# Altium PCB STM32H743XIH6_SOM_Bd.PcbDoc (part 3 of 3)
Units mm, origin at the board's own origin, x right, y up, seen from the top; angles counter-clockwise.
Board outline 45 x 69.6 mm, 8 copper layers (L1 (Sig), L2 (GND), L3 (PWR), L4 (Sig), L5 (GND), L6 (Sig), L7 (GND), L8 (Sig)), stack 1.178 mm thick; 147 components, 165 nets, 926 pads, 711 vias.
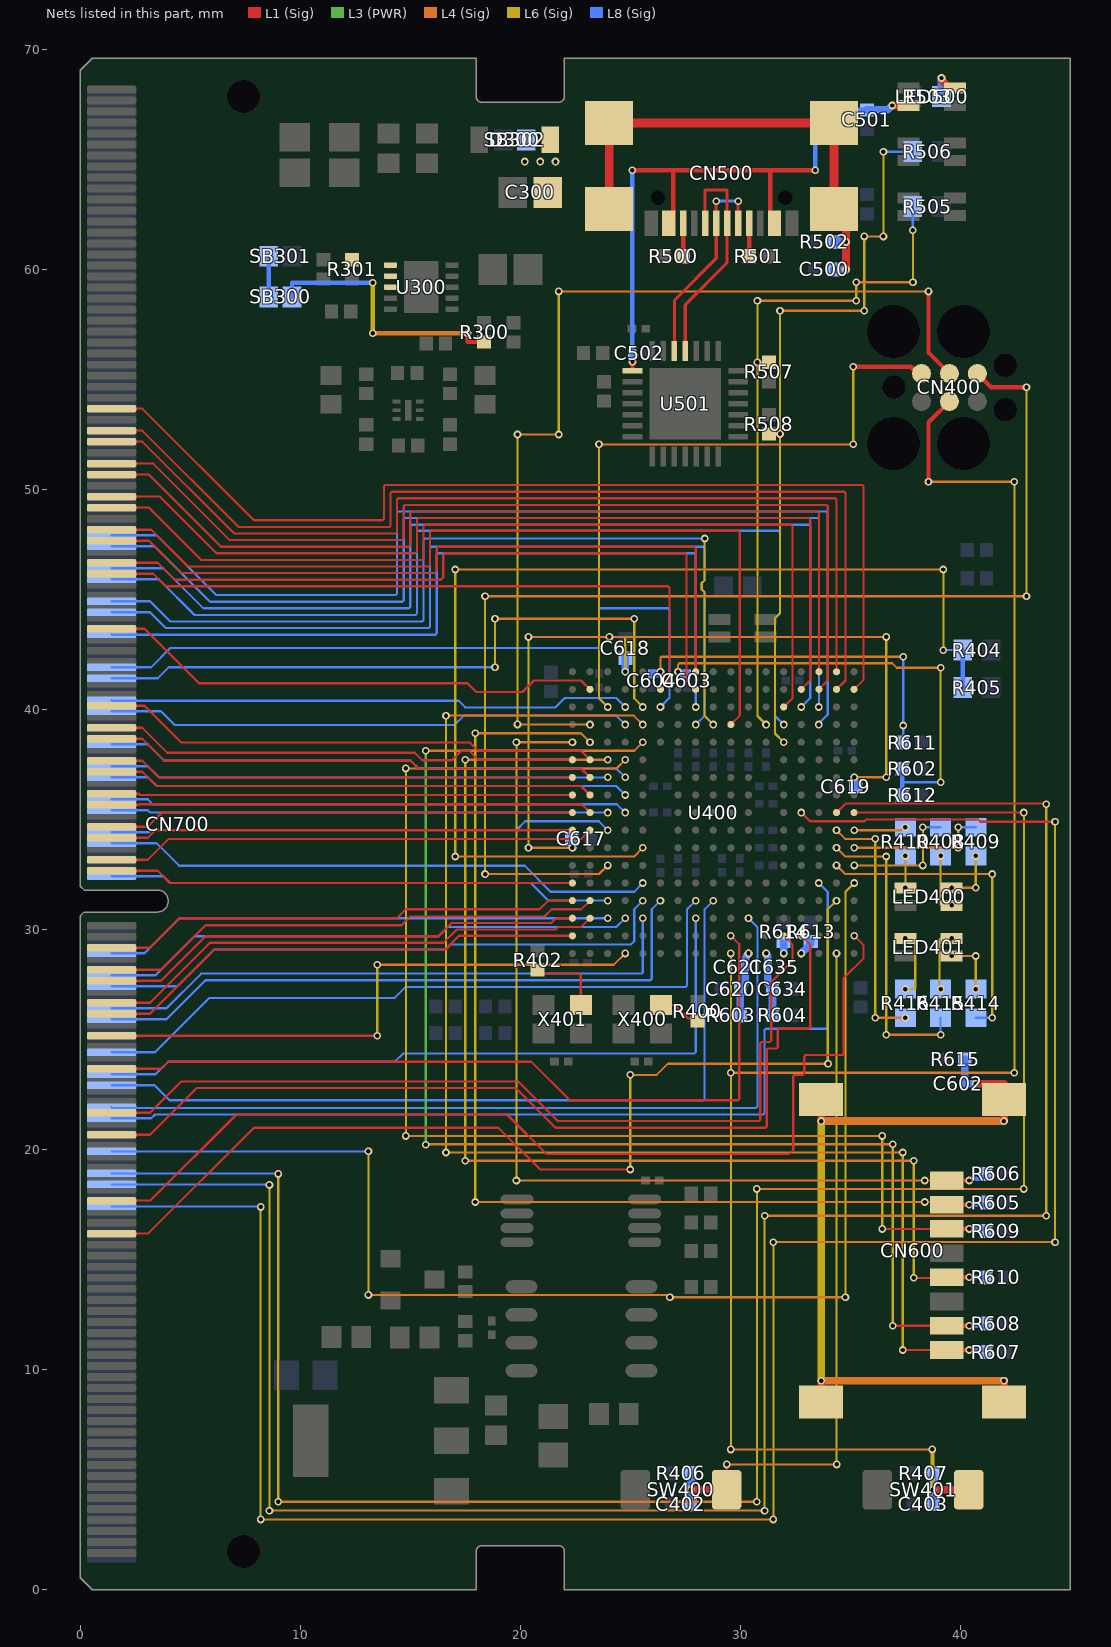
[diagram p9: the nets of this part, all layers, seen from the top]

## Via types
v1: diameter 0.35, hole 0.2, L1 (Sig) to L8 (Sig), tented both sides, 702 vias
v2: diameter 0.5, hole 0.2, L1 (Sig) to L8 (Sig), 9 vias

## Nets (pads, with @x,y where several pads share a name; then routed paths per layer and width w, separated by ;. In a path a pad name is that pad's centre, name@x,y a point inside that pad or via, vN(x,y) a via of type N, cw(c..) or ccw(c..) an arc to the next point about the centre after c; other vN are vias at no path point) (continued)
MCU_I/O_PC13: CN700.160 U400.E3 | length 27.3
  L8 (Sig) w0.1: CN700.160@1.425,26.425 3.925,26.425 5.5,28 25.51,28 25.568,28.059 v1(25.568,30.518)
MCU_I/O_PD3: CN700.113 U400.B12 | length 22.8
  L1 (Sig) w0.1: CN700.113@1.425,40.175 2.925,40.175 4.6,38.5 17.7,38.5 18.075,38.125 22.761,38.125 U400.B12@23.168,37.718
MCU_I/O_PD4: CN700.117 U400.A12 | length 21.9
  L1 (Sig) w0.1: CN700.117@1.425,39.175 2.825,39.175 3.958,38.042 15.208,38.042 15.55,37.7 16.9,37.7 17.325,38.125 17.675,38.125 18.082,37.718 U400.A12@22.368,37.718
MCU_I/O_PD6: CN700.119 U400.B11 | length 22.5
  L1 (Sig) w0.1: CN700.119@1.425,38.675 2.825,38.675 3.823,37.677 15.023,37.677 15.375,37.325 22.761,37.325 U400.B11@23.168,36.918
MCU_I/O_PD7: CN700.124 U400.C11 | length 22.8
  L8 (Sig) w0.1: CN700.124@1.425,37.425 3.075,37.425 3.582,36.918 v1(23.968,36.918)
MCU_I/O_PD8: CN700.59 U400.U16 | length 47.2
  L1 (Sig) w0.1: CN700.59@1.425,53.675 2.825,53.675 7.9,48.6 13.741,48.6 13.8,48.659 13.8,50.141 13.859,50.2 35.541,50.2 35.6,50.141 35.6,41.35 U400.U16@35.168,40.918
MCU_I/O_PD9: CN700.65 U400.T17 | length 44.1
  L1 (Sig) w0.1: CN700.65@1.425,52.175 2.825,52.175 7,48 14.341,48 14.4,48.059 14.4,49.541 14.459,49.6 34.31,49.6 34.368,49.541 U400.T17@34.368,41.718
MCU_I/O_PD10: CN700.63 U400.T16 | length 45.8
  L1 (Sig) w0.1: CN700.63@1.425,52.675 2.825,52.675 7.2,48.3 14.041,48.3 14.1,48.359 14.1,49.841 14.159,49.9 34.716,49.9 34.775,49.841 34.775,41.325 U400.T16@34.368,40.918
MCU_I/O_PD11: CN700.84 U400.R15 | length 45.5
  L8 (Sig) w0.1: CN700.84@1.425,47.425 3.375,47.425 5.9,44.9 14.641,44.9 14.7,44.959 14.7,48.641 14.759,48.7 33.51,48.7 33.568,48.641 v1(33.568,40.118)
MCU_I/O_PD12: CN700.69 U400.R16 | length 44
  L1 (Sig) w0.1: CN700.69@1.425,51.175 3.325,51.175 6.8,47.7 14.641,47.7 14.7,47.759 14.7,49.241 14.759,49.3 33.916,49.3 33.975,49.241 33.975,41.325 U400.R16@33.568,40.918
MCU_I/O_PD13: CN700.71 U400.R17 | length 42.3
  L1 (Sig) w0.1: CN700.71@1.425,50.675 3.125,50.675 6.4,47.4 14.941,47.4 15,47.459 15,48.941 15.059,49 33.51,49 33.568,48.941 U400.R17@33.568,41.718
MCU_I/O_PD14: CN700.75 U400.P16 | length 42.3
  L1 (Sig) w0.1: CN700.75@1.425,49.675 3.625,49.675 6.2,47.1 15.241,47.1 15.3,47.159 15.3,48.641 15.359,48.7 33.116,48.7 33.175,48.641 33.175,41.325 U400.P16@32.768,40.918
MCU_I/O_PD15: CN700.88 U400.P15 | length 44.7
  L8 (Sig) w0.1: CN700.88@1.425,46.425 3.775,46.425 5.6,44.6 14.941,44.6 15,44.659 15,48.341 15.059,48.4 33.116,48.4 33.175,48.341 33.175,40.525 v1(32.768,40.118)
MCU_I/O_PE0: CN700.144 U400.C4 | length 23
  L8 (Sig) w0.1: CN700.144@1.425,32.425 3.775,32.425 4.082,32.118 20.482,32.118 21.282,31.318 v1(23.968,31.318)
MCU_I/O_PE1: CN700.153 U400.B4 | length 23
  L1 (Sig) w0.1: CN700.153@1.425,28.175 3.675,28.175 5.7,30.2 14.6,30.2 15,30.6 21.1,30.6 21.425,30.925 22.775,30.925 U400.B4@23.168,31.318
MCU_I/O_PE3: CN700.154 U400.D3 | length 24.4
  L8 (Sig) w0.1: CN700.154@1.425,27.925 3.425,27.925 5.2,29.7 16.288,29.7 16.713,30.125 24.375,30.125 v1(24.768,30.518)
MCU_I/O_PF3: CN700.168 U400.H4 | length 31.4
  L8 (Sig) w0.1: CN700.168@1.425,24.425 3.4,24.425 5.875,26.9 14.3,26.9 14.8,27.4 27.516,27.4 27.575,27.459 27.575,30.925 v1(27.968,31.318)
MCU_I/O_PF5: CN700.174 U400.J4 | length 36.4
  L8 (Sig) w0.1: CN700.174@1.425,22.925 3.375,22.925 4.057,22.243 28.316,22.243 28.375,22.302 28.375,30.925 v1(28.768,31.318)
MCU_I/O_PF6: CN700.171 U400.K2 | length 37
  L1 (Sig) w0.1: CN700.171@1.425,23.675 3.675,23.675 4,24 20.5,24 22.257,22.243 29.891,22.243 29.95,22.302 29.95,29.336 v1(29.568,29.718)
MCU_I/O_PF10: CN700.178 U400.L3 | length 38.1
  L8 (Sig) w0.1: CN700.178@1.425,21.925 1.45,21.9 30.716,21.9 30.775,21.959 30.775,30.111 v1(30.368,30.518)
MCU_I/O_PG2: CN700.87 U400.H16 | length 33.9
  L1 (Sig) w0.1: CN700.87@1.425,46.675 3.525,46.675 4.3,45.9 16.4,45.9 16.5,46 16.5,47.041 16.559,47.1 27.491,47.1 27.55,47.041 27.55,41.336 U400.H16@27.968,40.918
MCU_I/O_PG3: CN700.100 U400.H15 | length 37.1
  L8 (Sig) w0.1: CN700.100@1.425,43.425 1.45,43.4 16.141,43.4 16.2,43.459 16.2,47.041 16.259,47.1 27.91,47.1 27.968,47.041 v1(27.968,40.118)
MCU_I/O_PG4: CN700.96 U400.H14 | length 39.2
  L8 (Sig) w0.1: CN700.96@1.425,44.425 3.175,44.425 3.9,43.7 15.841,43.7 15.9,43.759 15.9,47.341 15.959,47.4 28.316,47.4 28.375,47.341 28.375,45.873 28.248,45.746 28.248,45.454 28.375,45.327 28.375,39.725 v1(27.968,39.318)
MCU_I/O_PG7: CN700.89 U400.F16 | length 30.4
  L1 (Sig) w0.1: CN700.89@1.425,46.175 3.325,46.175 3.9,45.6 26.716,45.6 26.775,45.541 26.775,41.325 U400.F16@26.368,40.918
MCU_I/O_PG8: CN700.106 U400.F15 | length 32.1
  L8 (Sig) w0.1: CN700.106@1.425,41.925 3.225,41.925 4.1,42.8 23.516,42.8 23.575,42.859 23.575,44.541 23.634,44.6 26.716,44.6 26.775,44.541 26.775,40.525 v1(26.368,40.118)
MCU_I/O_PG10: CN700.135 U400.A9 | length 21.2
  L1 (Sig) w0.1: CN700.135@1.425,34.675 3.075,34.675 3.718,35.318 U400.A9@22.368,35.318
MCU_I/O_PG12: CN700.132 U400.C9 | length 22.6
  L8 (Sig) w0.1: CN700.132@1.425,35.425 3.075,35.425 3.182,35.318 v1(23.968,35.318)
MCU_I/O_PG13: CN700.130 U400.D9 | length 23.6
  L8 (Sig) w0.1: CN700.130@1.425,35.925 3.075,35.925 3.3,35.7 24.386,35.7 v1(24.768,35.318)
MCU_I/O_PH2: CN700.179 U400.N2 | length 40.2
  L1 (Sig) w0.1: CN700.179@1.425,21.675 3.175,21.675 4.595,23.095 19.905,23.095 21.7,21.3 30.841,21.3 30.9,21.359 30.9,24.841 30.959,24.9 31.341,24.9 31.4,24.959 31.4,27.625 32.375,28.6 32.375,29.311 U400.N2@31.968,29.718
MCU_I/O_PH3: CN700.183 U400.P2 | length 42.1
  L1 (Sig) w0.1: CN700.183@1.425,20.675 3.175,20.675 5.3,22.8 19.8,22.8 21.6,21 31.141,21 31.2,21.059 31.2,24.541 31.259,24.6 31.641,24.6 31.7,24.659 31.7,25.441 31.759,25.5 33.116,25.5 33.175,25.559 33.175,29.311 U400.P2@32.768,29.718
MCU_I/O_PH12: CN700.82 U400.R14 | length 47.2
  L8 (Sig) w0.1: CN700.82@1.425,47.925 3.475,47.925 6.2,45.2 14.341,45.2 14.4,45.259 14.4,48.941 14.459,49 33.916,49 33.975,48.941 33.975,39.775 33.568,39.368 v1(33.568,39.318)
MCU_I/O_PH15: CN700.99 U400.B16 | length 23.3
  L1 (Sig) w0.1: CN700.99@1.425,43.675 2.925,43.675 5.4,41.2 17.6,41.2 18,40.8 20.1,40.8 20.625,41.325 22.761,41.325 U400.B16@23.168,40.918
MCU_I/O_PI4: CN700.149 U400.A4 | length 21.8
  L1 (Sig) w0.1: CN700.149@1.425,29.175 3.175,29.175 4.518,30.518 14.393,30.518 14.8,30.925 20.875,30.925 21.268,31.318 U400.A4@22.368,31.318
MCU_I/O_PI5: CN700.155 U400.A3 | length 22.1
  L1 (Sig) w0.1: CN700.155@1.425,27.675 3.675,27.675 5.7,29.7 16.287,29.7 16.887,30.3 21.4,30.3 21.618,30.518 U400.A3@22.368,30.518
MCU_I/O_PI6: CN700.161 U400.A2 | length 22.4
  L1 (Sig) w0.1: CN700.161@1.425,26.175 3.175,26.175 6.1,29.1 16.6,29.1 17.218,29.718 U400.A2@22.368,29.718
MCU_I/O_PI7: CN700.159 U400.B3 | length 23.3
  L1 (Sig) w0.1: CN700.159@1.425,26.675 3.175,26.675 5.9,29.4 16.5,29.4 17.1,30 21.6,30 21.725,30.125 22.775,30.125 U400.B3@23.168,30.518
MCU_I/O_PI8: CN700.156 U400.E4 | length 26.6
  L8 (Sig) w0.1: CN700.156@1.425,27.425 4.425,27.425 6.1,29.1 16.6,29.1 16.825,29.325 25.025,29.325 25.175,29.475 25.175,30.925 v1(25.568,31.318)
MCU_I/O_PI11: CN700.162 U400.F4 | length 29
  L8 (Sig) w0.1: CN700.162@1.425,25.925 3.925,25.925 5.7,27.7 25.916,27.7 25.975,27.759 25.975,30.925 26.343,31.293 26.343,31.318 v1(26.368,31.318)
MCU_I/O_PI14: CN700.172 U400.H3 | length 33
  L8 (Sig) w0.1: CN700.172@1.425,23.425 3.425,23.425 4,24 14.3,24 14.675,24.375 27.91,24.375 27.968,24.434 v1(27.968,30.518)
MCU_I/O_PJ6: CN700.77 U400.N15 | length 41.9
  L1 (Sig) w0.1: CN700.77@1.425,49.175 3.125,49.175 5.5,46.8 15.541,46.8 15.6,46.859 15.6,48.341 15.659,48.4 32.316,48.4 32.375,48.341 32.375,40.525 U400.N15@31.968,40.118
MCU_I/O_PJ7: CN700.90 U400.N14 | length 43.8
  L8 (Sig) w0.1: CN700.90@1.425,45.925 3.575,45.925 5.2,44.3 15.241,44.3 15.3,44.359 15.3,48.068 15.359,48.127 31.741,48.127 31.8,48.068 31.8,44.375 31.576,44.151 31.576,39.71 v1(31.968,39.318)
MCU_I/O_PJ11: CN700.81 U400.K14 | length 39.7
  L1 (Sig) w0.1: CN700.81@1.425,48.175 3.225,48.175 4.9,46.5 15.841,46.5 15.9,46.559 15.9,48.068 15.959,48.127 29.916,48.127 29.975,48.068 29.975,39.725 U400.K14@29.568,39.318
MCU_I/O_PJ12: CN700.120 U400.D11 | length 24
  L8 (Sig) w0.1: CN700.120@1.425,38.425 3.075,38.425 3.823,37.677 15.023,37.677 15.375,37.325 24.361,37.325 v1(24.768,36.918)
MCU_I/O_PJ14: CN700.126 U400.D10 | length 23.7
  L8 (Sig) w0.1: CN700.126@1.425,36.925 3.075,36.925 3.475,36.525 24.361,36.525 v1(24.768,36.118)
MCU_I/O_PJ15: CN700.125 U400.B10 | length 22.2
  L1 (Sig) w0.1: CN700.125@1.425,37.175 2.825,37.175 3.475,36.525 22.761,36.525 U400.B10@23.168,36.118
MCU_I/O_PK0: CN700.94 U400.J14 | length 39.8
  L6 (Sig) w0.1: v1(28.375,47.775) 28.375,45.875 28.248,45.748 28.248,45.452 28.375,45.325 28.375,39.711 v1(28.768,39.318)
  L8 (Sig) w0.1: CN700.94@1.425,44.925 3.175,44.925 4.1,44 15.541,44 15.6,44.059 15.6,47.716 15.659,47.775 v1(28.375,47.775)
MCU_I/O_PK2: CN700.83 U400.H17 | length 33.9
  L1 (Sig) w0.1: CN700.83@1.425,47.675 3.125,47.675 4.6,46.2 16.1,46.2 16.2,46.3 16.2,47.341 16.259,47.4 27.91,47.4 27.968,47.341 U400.H17@27.968,41.718
MCU_I/O_PK3: CN700.136 U400.C8 | length 22.9
  L8 (Sig) w0.1: CN700.136@1.425,34.425 3.125,34.425 3.225,34.525 19.825,34.525 20.225,34.925 23.561,34.925 v1(23.968,34.518)
MCU_I/O_PK4: CN700.141 U400.B8 | length 22.3
  L1 (Sig) w0.1: CN700.141@1.425,33.175 3.075,33.175 4.025,34.125 22.775,34.125 U400.B8@23.168,34.518
MCU_I/O_PK5: CN700.137 U400.A8 | length 21.1
  L1 (Sig) w0.1: CN700.137@1.425,34.175 3.075,34.175 3.418,34.518 U400.A8@22.368,34.518
MCU_LED1_BLUE: R410.2 U400.U8 | length 2.4
  L4 (Sig) w0.1: v1(35.168,34.518) 37.301,34.518 37.432,34.65 v1(37.5,34.65)
MCU_LED1_GREEN: R409.2 U400.U7 | length 6.5
  L4 (Sig) w0.1: v1(35.168,33.718) v1(39.893,33.718)
  L6 (Sig) w0.1: v1(39.893,33.718) 39.897,33.722 39.897,34.647 v1(39.9,34.65)
  L8 (Sig) w0.1: v1(39.9,34.65) R409.2@40.7,34.65 R409.2@40.707,34.643
MCU_LED1_RED: R408.2 U400.U6 | length 5.7
  L4 (Sig) w0.1: v1(35.168,32.918) v1(38.293,32.918)
  L6 (Sig) w0.1: v1(38.293,32.918) v1(38.293,34.65)
  L8 (Sig) w0.1: v1(38.293,34.65) R408.2@39.1,34.65
MCU_LED2_BLUE: R416.2 U400.T8 | length 11.4
  L4 (Sig) w0.1: v1(34.368,34.518) 34.761,34.125 v1(36.125,34.125) ; v1(36.125,26) v1(37.5,26)
  L6 (Sig) w0.1: v1(36.125,26) v1(36.125,34.125)
MCU_LED2_GREEN: R415.2 U400.T7 | length 13.8
  L4 (Sig) w0.1: v1(34.368,33.718) 34.761,33.325 v1(36.625,33.325) ; v1(36.625,25.225) v1(39.1,25.225)
  L6 (Sig) w0.1: v1(36.625,25.225) v1(36.625,33.325)
  L8 (Sig) w0.1: v1(39.1,25.225) R415.2@39.1,26
MCU_LED2_RED: R414.2 U400.T6 | length 14.5
  L4 (Sig) w0.1: v1(34.368,32.918) 34.761,32.525 v1(41.45,32.525)
  L6 (Sig) w0.1: v1(41.45,26) v1(41.45,32.525)
  L8 (Sig) w0.1: R414.2@40.7,26 v1(41.45,26)
MCU_NRST: C403.2 CN400.3 R407.1 SW401.1 U400.K1 | length 84.3
  L1 (Sig) w0.2: v1(38.55,50.35) 38.55,53.05 CN400.3@39.5,54 ; SW401.1@40.375,4.55 SW401.1@40.375,4.6
  L1 (Sig) w0.35: v1(38.74,4.55) SW401.1@40.375,4.55
  L4 (Sig) w0.1: v1(29.568,23.5) v1(42.45,23.5) ; v1(29.568,6.382) v1(38.725,6.382) ; v1(38.55,50.35) v1(42.45,50.35)
  L6 (Sig) w0.1: v1(29.568,6.382) v1(29.568,28.918) ; v1(38.725,6.382) v1@38.733,6.374 ; v1@38.733,4.558 v1(38.74,4.55) ; v1(42.45,23.5) v1(42.45,50.35)
  L6 (Sig) w0.2: v1@38.733,4.558 v1@38.733,6.374
  L8 (Sig) w0.35: C403.2@38.74,3.9 v1(38.74,4.55) 38.74,4.6 R407.1@38.74,5.3
MCU_OPAMP1_VINM: CN700.180 U400.R5 | length 43.2
  L8 (Sig) w0.1: CN700.180@1.425,21.425 3.225,21.425 3.4,21.6 31.041,21.6 31.1,21.659 31.1,25.441 31.159,25.5 33.916,25.5 33.975,25.559 33.975,31.711 v1(33.568,32.118)
MCU_OPAMP1_VINP: CN700.186 U400.U5 | length 58.9
  L4 (Sig) w0.1: v1(13.1,13.4) 26.632,13.4 26.732,13.3 v1(26.8,13.3) v1(34.775,13.3)
  L6 (Sig) w0.1: v1(13.1,13.4) v1(13.1,19.925) ; v1@34.775,13.29 v1(34.775,13.3) 34.775,31.725 v1(35.168,32.118)
  L8 (Sig) w0.1: CN700.186@1.425,19.925 v1(13.1,19.925)
MCU_OPAMP1_VOUT: CN700.201 U400.T4 | length 47.4
  L1 (Sig) w0.1: CN700.201@1.425,16.175 1.448,16.198 3.098,16.198 7.9,21 19,21 20.9,19.1 v1(25,19.1)
  L4 (Sig) w0.1: v1(25,23.4) 26.2,23.4 26.705,23.905 v1(33.987,23.905)
  L6 (Sig) w0.1: v1(25,19.1) v1(25,23.4) ; v1(33.987,23.905) 33.975,23.917 33.975,30.925 v1(34.368,31.318)
MCU_OPAMP2_VINM: CN700.192 U400.T9 | length 99.1
  L1 (Sig) w0.1: U400.T9@34.368,35.318 34.775,35.725 43.875,35.725 v1(43.9,35.7)
  L4 (Sig) w0.1: v1(8.6,3.6) v1(31.1,3.6) ; v1(31.102,17) v1(43.9,17)
  L6 (Sig) w0.1: v1(8.6,3.6) v1(8.6,18.4) ; v1(31.1,3.6) v1(31.102,17) ; v1(43.9,17) v1(43.9,35.7)
  L8 (Sig) w0.1: CN700.192@1.425,18.425 1.438,18.413 8.587,18.413 v1(8.6,18.4)
MCU_OPAMP2_VINP: CN700.196 U400.P9 | length 100.6
  L1 (Sig) w0.1: v1(32.768,35.318) 33.161,34.925 35.641,34.925 35.718,35.002 40.798,35.002 40.9,34.9 v1(44.3,34.9)
  L4 (Sig) w0.1: v1(8.2,3.2) v1(31.5,3.2) ; v1(31.5,15.8) v1(44.3,15.8)
  L6 (Sig) w0.1: v1(8.2,3.2) v1(8.2,17.4) ; v1(31.5,3.2) v1(31.5,15.8) ; v1(44.3,15.8) v1(44.3,34.9)
  L8 (Sig) w0.1: CN700.196@1.425,17.425 1.438,17.413 8.187,17.413 v1(8.2,17.4)
MCU_OPAMP2_VOUT: CN700.190 U400.U9 | length 95.4
  L1 (Sig) w0.1: U400.U9@35.168,35.318 v1(42.882,35.318)
  L4 (Sig) w0.1: v1(9,4) v1(30.75,4) ; v1(30.75,18.218) v1(42.882,18.218)
  L6 (Sig) w0.1: v1(9,4) v1(9,18.9) ; v1(30.75,4) v1(30.75,18.218) ; v1(42.882,18.218) v1(42.882,35.318)
  L8 (Sig) w0.1: CN700.190@1.425,18.925 1.438,18.912 8.988,18.912 v1(9,18.9)
MCU_PDR_ON: R404.1 R405.1 U400.E7 | length 50.2
  L4 (Sig) w0.1: v1(17.04,33.325) 25.175,33.325 v1(25.568,33.718) ; v1(17.04,46.365) v1(39.225,46.365)
  L6 (Sig) w0.1: v1(17.04,33.325) v1(17.04,46.365) ; v1(39.223,42.7) 39.225,42.702 v1(39.225,46.365)
  L8 (Sig) w0.1: v1(39.223,42.7) R404.1@40.1,42.7
  L8 (Sig) w0.2: R405.1@40.1,41 R404.1@40.1,42.7
MCU_RCC_MCO1: CN700.108 U400.E15 | length 30.3
  L4 (Sig) w0.1: v1(18.85,44.125) v1(25.175,44.125)
  L6 (Sig) w0.1: v1(18.85,41.925) v1(18.85,44.125) ; v1(25.175,44.125) 25.175,40.511 v1(25.568,40.118)
  L8 (Sig) w0.1: CN700.108@1.425,41.425 3.525,41.425 4.025,41.925 v1(18.85,41.925)
MCU_SDMMC1_CK: CN600.5 R610.1 U400.C12 | length 53.7
  L1 (Sig) w0.1: v1(37.875,14.175) 39.35,14.175 CN600.5@39.375,14.2
  L1 (Sig) w0.2: CN600.5@39.375,14.2 v1(40.4,14.2)
  L4 (Sig) w0.1: v1(17.5,19.5) v1(37.875,19.5) ; v1(17.5,37.718) v1(23.968,37.718)
  L6 (Sig) w0.1: v1(17.5,19.5) v1(17.5,37.718) ; v1(37.875,14.175) v1(37.875,19.5)
  L8 (Sig) w0.2: v1(40.4,14.2) R610.1@41.16,14.2
MCU_SDMMC1_CMD: CN600.3 R609.1 U400.D12 | length 57.5
  L1 (Sig) w0.1: v1(36.45,16.4) CN600.3@39.375,16.4
  L1 (Sig) w0.2: CN600.3@39.375,16.4 v1(40.4,16.4)
  L4 (Sig) w0.1: v1(14.8,20.625) v1(36.45,20.625) ; v1(14.8,37.325) 24.375,37.325 v1(24.768,37.718)
  L6 (Sig) w0.1: v1(14.8,20.625) v1(14.8,37.325) ; v1(36.45,16.4) v1(36.45,20.625)
  L8 (Sig) w0.2: v1(40.4,16.4) 41.06,16.4 R609.1@41.16,16.3
MCU_SDMMC1_D0: CN600.7 R608.1 U400.E13 | length 61.7
  L1 (Sig) w0.1: v1(36.925,12) CN600.7@39.375,12
  L1 (Sig) w0.2: CN600.7@39.375,12 v1(40.4,12)
  L3 (PWR) w0.1: v1(15.7,20.225) v1(15.7,38.125)
  L4 (Sig) w0.1: v1@15.7,20.25 v1(36.925,20.25) ; v1(15.7,38.125) 25.175,38.125 25.518,38.468 25.518,38.518 v1(25.568,38.518)
  L6 (Sig) w0.1: v1(36.925,12) v1(36.925,20.25)
  L8 (Sig) w0.2: v1(40.4,12) 41.06,12 R608.1@41.16,12.1
MCU_SDMMC1_D1: CN600.8 R607.1 U400.E14 | length 62.5
  L1 (Sig) w0.1: v1(37.375,10.9) CN600.8@39.375,10.9
  L1 (Sig) w0.2: CN600.8@39.375,10.9 v1(40.4,10.9)
  L4 (Sig) w0.1: v1(16.625,19.875) v1(37.375,19.875) ; v1(16.625,39.725) 25.161,39.725 v1(25.568,39.318)
  L6 (Sig) w0.1: v1(16.625,19.875) v1(16.625,39.725) ; v1(37.375,10.9) v1(37.375,19.875)
  L8 (Sig) w0.2: v1(40.4,10.9) 41.06,10.9 R607.1@41.16,10.8
MCU_SDMMC1_D2: CN600.1 R606.1 U400.A13 | length 43.9
  L1 (Sig) w0.1: v1(38.375,18.6) CN600.1@39.375,18.6
  L1 (Sig) w0.2: CN600.1@39.375,18.6 v1(40.4,18.6)
  L4 (Sig) w0.1: v1(19.825,18.6) v1(38.375,18.6) ; v1(19.825,38.518) v1(22.368,38.518)
  L6 (Sig) w0.1: v1(19.825,18.6) v1(19.825,38.518)
  L8 (Sig) w0.2: v1(40.4,18.6) 40.441,18.6 40.521,18.68 40.96,18.68 41.16,18.88 R606.1@41.16,18.9
MCU_SDMMC1_D3: CN600.2 R605.1 U400.B13 | length 50
  L1 (Sig) w0.1: v1(38.375,17.625) 39.25,17.625 CN600.2@39.375,17.5
  L1 (Sig) w0.2: CN600.2@39.375,17.5 v1(40.4,17.5)
  L4 (Sig) w0.1: v1(17.95,17.625) v1(38.375,17.625) ; v1(17.95,38.925) 22.761,38.925 v1(23.168,38.518)
  L6 (Sig) w0.1: v1(17.95,17.625) v1(17.95,38.925)
  L8 (Sig) w0.2: v1(40.4,17.5) 41.06,17.5 R605.1@41.16,17.6
MCU_SPI1_MISO: CN700.129 U400.A10 | length 21
  L1 (Sig) w0.1: CN700.129@1.425,36.175 2.661,36.175 2.718,36.118 U400.A10@22.368,36.118
MCU_SPI1_MOSI: CN700.143 U400.A5 | length 21.2
  L1 (Sig) w0.1: CN700.143@1.425,32.675 3.525,32.675 4.082,32.118 U400.A5@22.368,32.118
MCU_SPI1_SCK: CN700.131 U400.B9 | length 21.9
  L1 (Sig) w0.1: CN700.131@1.425,35.675 2.675,35.675 2.7,35.7 22.786,35.7 U400.B9@23.168,35.318
MCU_SPI4_MISO: CN700.165 U400.D1 | length 26.8
  L1 (Sig) w0.1: CN700.165@1.425,25.175 v1(13.5,25.175)
  L4 (Sig) w0.1: v1(13.5,28.4) 24.25,28.4 v1(24.768,28.918)
  L6 (Sig) w0.1: v1(13.5,25.175) v1(13.5,28.4)
MCU_SPI4_MOSI: CN700.138 U400.E5 | length 25.2
  L8 (Sig) w0.1: CN700.138@1.425,33.925 3.475,33.925 4.5,32.9 20.2,32.9 21.375,31.725 25.175,31.725 v1(25.568,32.118)
MCU_SPI4_SCK: CN700.150 U400.C3 | length 23.2
  L8 (Sig) w0.1: CN700.150@1.425,28.925 2.925,28.925 4.518,30.518 v1(23.968,30.518)
MCU_SWD_SWCLK: CN400.4 U400.B14 | length 45.8
  L1 (Sig) w0.2: v1(38.55,59) 38.55,56.22 CN400.4@39.5,55.27
  L4 (Sig) w0.1: v1@19.875,39.318 v1(23.168,39.318) ; v1(19.875,52.5) v1(21.75,52.5) ; v1(21.75,59) v1(38.55,59)
  L6 (Sig) w0.1: v1(19.875,39.325) v1(19.875,52.5) ; v1(21.75,52.5) v1(21.75,59)
MCU_SWD_SWDIO: CN400.2 U400.C15 | length 30.4
  L1 (Sig) w0.2: v1(35.125,55.575) 37.746,55.575 38.051,55.27 CN400.2@38.23,55.27
  L4 (Sig) w0.1: v1(23.575,52.05) v1(35.125,52.05)
  L6 (Sig) w0.1: v1(23.575,52.05) 23.575,40.511 v1(23.968,40.118) ; v1(35.125,52.05) v1(35.125,55.575)
MCU_SWD_TRACE_SWO: CN400.6 U400.C6 | length 54.9
  L1 (Sig) w0.2: CN400.6@40.77,55.27 41.39,54.65 v1(43,54.65)
  L4 (Sig) w0.1: v1(18.4,32.525) 23.575,32.525 v1(23.968,32.918) ; v1(18.4,45.15) v1(43,45.15)
  L6 (Sig) w0.1: v1(18.4,32.525) v1(18.4,45.15) ; v1(43,45.15) v1(43,54.65)
MCU_UART8_RX: R505.1 R507.2 U400.M14 | length 31.3
  L1 (Sig) w0.1: v1(30.775,55.775) 31.295,55.775 R507.2@31.3,55.78
  L4 (Sig) w0.1: v1(30.775,58.575) v1(35.266,58.575) ; v1(35.266,59.416) v1(37.841,59.416)
  L6 (Sig) w0.1: v1(30.775,58.575) v1(30.775,55.775) 30.775,39.711 v1(31.168,39.318) ; v1(35.266,58.575) v1(35.266,59.416) ; v1(37.838,61.775) 37.839,61.773 37.839,59.417 v1(37.841,59.416)
  L8 (Sig) w0.1: v1(37.838,61.775) R505.1@37.838,62.85
MCU_UART8_TX: R506.1 R508.2 U400.N13 | length 33.6
  L1 (Sig) w0.1: R508.2@31.3,52.52 31.305,52.525 v1(31.8,52.525)
  L4 (Sig) w0.1: v1(31.8,58.125) v1(35.625,58.125) ; v1(35.625,61.5) v1(36.5,61.5)
  L6 (Sig) w0.1: v1(31.8,58.125) v1(31.8,52.525) 31.8,44.375 31.575,44.15 31.575,38.911 v1(31.968,38.518) ; v1(35.625,58.125) v1(35.625,61.5) ; v1(36.5,61.5) v1(36.5,65.35)
  L8 (Sig) w0.1: v1(36.5,65.35) R506.1@37.838,65.35
MCU_USART1_RX: CN700.114 U400.D14 | length 23.9
  L8 (Sig) w0.1: CN700.114@1.425,39.925 3.675,39.925 4.3,39.3 17,39.3 17.425,39.725 24.361,39.725 v1(24.768,39.318)
MCU_USART1_TX: CN700.112 U400.D15 | length 23.8
  L8 (Sig) w0.1: CN700.112@1.425,40.425 1.45,40.4 17.2,40.4 17.5,40.1 21.6,40.1 22.025,40.525 24.361,40.525 v1(24.768,40.118)
MCU_USART2_RX: CN700.195 U400.U2 | length 45.9
  L1 (Sig) w0.1: CN700.195@1.425,17.675 1.448,17.698 3.198,17.698 7.1,21.6 19.4,21.6 21.2,19.8 32.2,19.8 32.4,20 32.4,23.341 32.459,23.4 32.841,23.4 32.9,23.459 32.9,24.241 32.959,24.3 34.641,24.3 34.7,24.359 34.7,27.8 35.6,28.7 35.6,29.286 v1(35.168,29.718)
MCU_USART2_TX: CN700.123 U400.A11 | length 21.3
  L1 (Sig) w0.1: CN700.123@1.425,37.675 2.825,37.675 3.582,36.918 U400.A11@22.368,36.918
MCU_USER_SW1: C402.2 R406.1 SW400.1 U400.T1 | length 32.4
  L1 (Sig) w0.1: SW400.1@29.375,4.55 v1(29.375,5.7)
  L1 (Sig) w0.35: v1(27.74,4.55) SW400.1@29.375,4.55
  L4 (Sig) w0.1: v1(29.375,5.7) v1(34.375,5.7)
  L6 (Sig) w0.1: v1@34.368,5.7 v1(34.368,28.918)
  L8 (Sig) w0.35: C402.2@27.74,3.9 v1(27.74,4.55) R406.1@27.74,5.3
NetLED400_1: LED400.1 R410.1 | length 1.5
  L6 (Sig) w0.1: v1(37.5,31.9) v1(37.5,33.35)
NetLED400_2: LED400.2 R409.1 | length 2.5
  L4 (Sig) w0.1: v1(39.6,31.9) v1(40.7,31.9)
  L6 (Sig) w0.1: v1(40.7,31.9) v1(40.7,33.35)
NetLED400_3: LED400.3 R408.1 | length 2.7
  L6 (Sig) w0.1: v1(39.1,33.35) 39.1,31.159 39.159,31.1 v1(39.6,31.1)
NetLED401_1: LED401.1 R416.1 | length 3.1
  L6 (Sig) w0.1: v1(37.5,27.3) 37.891,27.3 37.95,27.359 37.95,29.541 37.891,29.6 v1(37.5,29.6)
NetLED401_2: LED401.2 R415.1 | length 2.8
  L6 (Sig) w0.1: v1(39.1,27.3) 39.052,27.348 39.052,27.475 39.044,27.484 39.044,29.541 39.102,29.6 v1(39.6,29.6)
NetLED401_3: LED401.3 R414.1 | length 2.6
  L4 (Sig) w0.1: v1(39.6,28.8) v1(40.7,28.8)
  L6 (Sig) w0.1: v1(40.7,27.3) v1(40.7,28.8)
OSC1_OUT: R400.1 X400.3 | length 1.9
  L1 (Sig) w0.1: X400.3@26.4,26.575 27.025,26.575 27.639,25.961 27.949,25.961 R400.1@28.05,25.86
OSC2_OUT: R402.1 X401.3 | length 3.4
  L1 (Sig) w0.1: R402.1@20.783,28.16 20.943,28 22.691,28 22.75,27.941 X401.3@22.75,26.575
P5VS_IN: C300.2 D300.2 R300.2 R301.2 SB300.2 SB302.2 U300.1 U300.2 U300.3 | length 12.1
  L1 (Sig) w0.2: v1(17.6,57.1) 17.6,56.7 R300.2@18.358,56.7
  L4 (Sig) w0.2: v1(13.3,57.1) v1(17.6,57.1)
  L6 (Sig) w0.2: v1(13.3,57.1) v1(13.3,59.4)
  L8 (Sig) w0.2: SB300.2@9.625,58.75 9.625,59.4 v1(13.3,59.4)
  other v1: 20.2,64.9 20.9,64.9 21.6,64.9
PWR_EN: SB300.1 SB301.1 | length 1.9
  L8 (Sig) w0.2: SB300.1@8.575,58.75 SB301.1@8.575,60.6
SD_SH: C602.1 CN600.9 CN600.10 CN600.11 CN600.12 R615.2 | length 35.9
  L1 (Sig) w0.35: CN600.9@33.675,8.525 v1(33.675,9.5) ; v1(33.675,21.3) CN600.11@33.675,22.275 ; v1(40.7,23) 41.975,23 CN600.12@41.975,22.275 v1(41.975,21.3) ; CN600.10@41.975,8.525 v1(41.975,9.5)
  L4 (Sig) w0.35: v1(33.675,9.5) v1(41.975,9.5) ; v1(33.675,21.3) v1(41.975,21.3)
  L6 (Sig) w0.35: v1(33.675,9.5) v1(33.675,21.3)
  L8 (Sig) w0.35: R615.2@40.2,24.1 C602.1@40.2,23 v1(40.7,23)
USB_CC1: CN500.A5 R501.2 | length 1.5
  L1 (Sig) w0.2: R501.2@30.4,60.6 CN500.A5@30.4,62.1
USB_CC2: CN500.B5 R500.2 | length 1.5
  L1 (Sig) w0.2: R500.2@27.4,60.6 CN500.B5@27.4,62.1
USB_D_N: CN500.A7 CN500.B7 U501.5 | length 9.6
  L1 (Sig) w0.14: U501.5@27,56.3 27.005,56.305 27.005,58.605 28.905,60.505 28.905,62.095 CN500.A7@28.9,62.1 v1(28.9,63.1) ; CN500.B7@29.9,62.1 v1(29.9,63.1)
  L8 (Sig) w0.14: v1(28.9,63.1) v1(29.9,63.1)
USB_D_P: CN500.A6 CN500.B6 U501.4 | length 10.6
  L1 (Sig) w0.14: U501.4@27.5,56.3 27.495,56.305 27.495,58.402 29.395,60.302 29.395,62.095 CN500.A6@29.4,62.1 29.4,63.6 28.4,63.6 CN500.B6@28.4,62.1
USB_SH: C500.2 CN500.S1 CN500.S2 CN500.S3 CN500.S4 R502.1 | length 22.1
  L1 (Sig) w0.35: CN500.S1@34.26,62.75 34.8,62.21 v1(34.8,61.25) v1(34.8,60)
  L1 (Sig) w0.4: CN500.S4@24.04,62.75 CN500.S3@24.04,66.65 CN500.S2@34.26,66.65 CN500.S1@34.26,62.75
  L8 (Sig) w0.35: C500.2@34.25,60 v1(34.8,60) ; R502.1@34.25,61.25 v1(34.8,61.25)
VBUS: C501.2 C502.1 CN500.A4 CN500.B4 LED500.4 U501.8 | length 29.4
  L1 (Sig) w0.2: v1(25.09,64.5) 26.95,64.5 ; U501.8@25.1,55.4 v1(25.1,55.8) ; CN500.B4@26.75,62.1 26.95,62.3 26.95,64.5 ; CN500.A4@31.55,62.1 31.35,62.3 31.35,64.45 31.3,64.5 ; v1(33.4,64.5) 31.3,64.5 ; 26.95,64.5 31.3,64.5
  L1 (Sig) w0.35: v1(36.9,67.45) LED500.4@37.65,67.45
  L8 (Sig) w0.2: v1(25.09,64.5) 25.09,57.479 25.102,57.467 25.102,57.133 25.09,57.121 C502.1@25.09,56.2 25.1,56.2 v1(25.1,55.8) ; v1(33.4,64.5) 33.4,67.133 33.517,67.25 C501.2@35.75,67.25
  L8 (Sig) w0.35: C501.2@35.75,67.25 36.7,67.25 v1(36.9,67.45)
VBUS_LED: LED500.2 R503.1 | length 1.7
  L1 (Sig) w0.35: v1(39.138,68.7) 39.138,68.612 39.5,68.25 LED500.2@39.75,68.25
  L8 (Sig) w0.35: R503.1@39.138,67.85 v1(39.138,68.7)
VCAP: C617.1 C618.1 C619.1 U400.A7 U400.D17 U400.U11 | length 39.4
  L4 (Sig) w0.1: v1(20.375,33.718) v1(22.368,33.718) ; v1(20.375,43.3) v1(24.05,43.3) v1(36.625,43.3) ; v1(35.168,36.918) 35.172,36.922 36.622,36.922 v1(36.625,36.925)
  L6 (Sig) w0.1: v1(20.375,33.718) v1(20.375,43.3) ; v1(24.05,43.3) 24.71,43.3 24.768,43.241 v1(24.768,41.718) ; v1(36.625,36.925) v1(36.625,43.3)
  L8 (Sig) w0.35: C617.1@22.335,34.125 22.368,34.092 v1(22.368,33.718) ; v1(24.768,41.718) 24.768,42.328 C618.1@24.775,42.335 ; v1(35.168,36.918) 35.168,36.572 C619.1@35.24,36.5
VDD33USB: C604.2 R611.2 U400.F17 | length 16.1
  L4 (Sig) w0.1: v1(26.368,41.718) 26.368,42.368 26.4,42.4 v1(37.4,42.4)
  L8 (Sig) w0.1: R611.2@37.36,38.5 37.4,38.54 v1(37.4,39.277) v1(37.4,42.4)
  L8 (Sig) w0.35: C604.2@25.975,41.61 25.975,41.635 26.285,41.635 v1(26.368,41.718)
VDD50USB: C603.2 R602.2 R612.2 U400.G17 | length 21
  L4 (Sig) w0.1: v1(27.168,41.718) 27.168,42.041 27.227,42.1 36.9,42.1 37.1,41.9 v1(39.1,41.9)
  L6 (Sig) w0.1: v1(39.1,36.7) v1(39.1,41.9)
  L8 (Sig) w0.1: 37.36,36.7 v1(39.1,36.7) ; v1(39.1,41.9) v1@39.1,41.904
  L8 (Sig) w0.2: R612.2@37.36,36.1 37.36,36.7 R602.2@37.36,37.3
  L8 (Sig) w0.35: v1(27.168,41.718) 27.251,41.635 27.575,41.635 C603.2@27.575,41.61
VDDA: C620.1 C621.2 R603.2 U400.L1 | length 2.9
  L8 (Sig) w0.35: R603.2@30,26.1 C620.1@30,27.3 30,27.32 30.22,27.54 C621.2@30.22,28.3 30.22,28.56 cw(c30.726,28.56) v1(30.368,28.918)
VREF_N: R614.2 U400.N1 | length 0.5
  L8 (Sig) w0.35: v1(31.968,28.918) R614.2@31.968,29.46
VREF_P: C634.1 C635.2 R604.2 U400.M1 | length 2.9
  L8 (Sig) w0.35: v1(31.168,28.918) cw(c30.995,28.745) 31.24,28.745 C635.2@31.24,28.3 31.24,27.54 31.46,27.32 C634.1@31.46,27.3 R604.2@31.46,26.1
VSSA: R613.2 U400.P1 | length 0.7
  L8 (Sig) w0.35: v1(32.768,28.918) 33.122,29.272 ccw(c32.934,29.46) R613.2@33.2,29.46
pads on no net: CN400.MH CN500.0 CN500.A8 CN500.B8 CN700.11 CN700.12 CN700.15 CN700.16 CN700.17 CN700.18 CN700.21 CN700.22 CN700.23 CN700.24 CN700.27 CN700.28 CN700.29 CN700.30 CN700.33 CN700.34 CN700.35 CN700.36 CN700.39 CN700.40 CN700.41 CN700.42 CN700.45 CN700.46 CN700.47 CN700.48 CN700.51 CN700.52 CN700.54 CN700.58 CN700.60 CN700.64 CN700.66 CN700.70 CN700.72 CN700.198 CN700.202 CN700.204 CN700.208 CN700.209 CN700.210 CN700.213 CN700.214 CN700.215 CN700.216 CN700.219 CN700.220 CN700.221 CN700.222 CN700.225 CN700.226 CN700.227 CN700.228 CN700.231 CN700.232 CN700.233 CN700.234 CN700.237 CN700.238 CN700.239 CN700.240 CN700.243 CN700.244 CN700.245 CN700.246 CN700.249 CN700.250 CN700.251 CN700.252 CN700.255 CN700.256 CN700.257 CN700.258 CN700.MH LED300.1 LED300.3 LED500.1 LED500.3 LED501.1 LED501.2 LED502.1 LED502.2 U302.5 U400.B7 U400.C1 U400.C7 U400.D2 U400.D6 U400.D7 U400.D8 U400.D13 U400.E1 U400.E2 U400.E10 U400.E12 U400.F3 U400.F13 U400.G1 U400.G14 U400.G15 U400.H1 U400.H2 U400.J1 U400.J5 U400.J15 U400.K3 U400.K4 U400.K16 U400.K17 U400.L4 U400.L14 U400.L16 U400.L17 U400.M3 U400.M4 U400.M16 U400.M17 U400.N3 U400.N4 U400.N5 U400.N6 U400.N9 U400.N17 U400.P3 U400.P4 U400.P5 U400.P6 U400.P7 U400.P8 U400.P10 U400.P11 U400.P12 U400.P13 U400.P14 U400.R3 U400.R6 U400.R7 U400.R9 U400.R10 U400.R11 U400.R12 U400.R13 U400.T5 U400.T10 U400.T11 U400.U4 U400.U10 U401.1 U401.2 U401.3 U501.1 U501.2 U501.10 U501.11 U501.12 U501.13 U501.14 U501.15 U501.16 U501.17 U501.18 U501.19 U501.20 U501.21 U501.22 U501.23 U501.24 U501.27 U501.28 U601.5

## Polygon pours and split planes (outlines as drawn)
DGND on L1 (Sig) "DGND_FULL_L1(Sig)" (solid, remove dead copper, pour order 28): 22.5,67.5 22,67 18,67 17.5,67.5 17.5,69 2.75,69 2.75,0.5 17.5,0.5 17.5,2 18,2.5 22,2.5 22.5,2 22.5,0.5 44.5,0.5 44.5,69 22.5,69
DP5VS on L1 (Sig) "DP5VS_L1(Sig)" (solid, remove dead copper, pour order 17): 18.5,9.7 19.4,8.8 19.4,7.9 18.3,7.9 17.8,8.4 16,8.4 16,9.7
LDO1_VIN on L1 (Sig) "LDO1_VIN_L1(Sig)" (solid, remove dead copper, pour order 7): 15.25,53.9 15.725,53.9 15.725,53.3 15.25,53.3 15.25,52.4 15,52.4 15,51.7 16.2,51.7 16.2,52.6 18.9,52.6 18.9,54.3 17.475,54.3 17.475,54.675 15.25,54.675
P5VS_IN on L1 (Sig) "P5VS_IN_L1(Sig)" (solid, remove dead copper, pour order 1): 21.9,64.625 21.9,66.7 19.85,66.7 19.85,64.625 20.75,64.625 20.75,62.5 12,62.5 12,60.1 12.9,60.1 12.9,59.1 14.4,59.1 14.4,61.1 21.9,61.1
EXT_P5VS on L1 (Sig) "EXT_P5VS_L1(Sig)" (solid, remove dead copper, pour order 4): 5.45,68.35 2.8,68.35 2.8,66 3.6,66 5.3,66 5.9,65.4 12.8,65.4 12.8,65.7 16.6,65.7 16.6,64.6 18.6,64.6 18.6,66.9 6.9,66.9
DP5VS on L1 (Sig) "DP5VS_L1(Sig)" (solid, remove dead copper, pour order 5): 21.325,59.025 21.325,59 24.25,59 24.25,57.25 21.325,57.25 21.325,54.7 17.9,54.7 17.9,56 20.3,56 20.3,58.1 18.3,58.1 18.3,59.075 16.6,59.075 16.6,60.731 19.4,60.731 19.4,59.025
LDO1_VOUT on L1 (Sig) "LDO1_VOUT_L1(Sig)" (solid, remove dead copper, pour order 10): 14.55,54.35 14.75,54.35 14.75,55.625 13.675,55.625 13.675,54.675 12.3,54.675 12.3,54.325 10.875,54.325 10.875,52.625 14,52.625 14,53.5 14.55,53.5
DGND on L1 (Sig) "DGND_L1(Sig)" (solid, remove dead copper, pour order 11): 3.5,64.6 4.944,63.3 16.2,63.3 16.2,65.3 13.3,65.3 13.3,65 6,65 5.2,65.8 3.5,65.8
DGND on L1 (Sig) "DGND_L1(Sig)" (solid, remove dead copper, pour order 14): 20.3,64.2 20.3,62.8 18.3,62.8 18.3,64.2
DGND on L1 (Sig) "DGND_L1(Sig)" (solid, remove dead copper, pour order 15): 19.5,4.25 20.25,4.25 20.25,7.45 18.35,7.45 18.35,5.25 16,5.25 16,3.75 19,3.75
LDO2_VOUT on L1 (Sig) "LDO2_VOUT_L1(Sig)" (solid, remove dead copper, pour order 16): 12.3,10.5 12.3,12 15,12 15,10.5 15,7.5 17.75,7.5 17.75,6 15.25,6 15.25,5.9 11.4,5.9 11.4,5 9.5,5 9.5,8.5 12.3,8.5
DGND on L1 (Sig) "DGND_L1(Sig)" (solid, remove dead copper, pour order 18): 13.3,56 13.3,54.9 12.5,54.9 12.5,56.7 13.8,56.7 13.8,57.6 14.7,57.6 14.7,60.4 16.3,60.4 16.3,57.6 16,57.6 16,56
DP3.3VS on L1 (Sig) "DP3.3VS_L1(Sig)" (solid, remove dead copper, pour order 19): 11.9,54.7 9.7,54.7 9.7,57.1 11.9,57.1
DGND on L1 (Sig) "DGND_L1(Sig)" (solid, remove dead copper, pour order 20): 14.75,54.075 14.75,53.3 14.2,53.3 14.2,52.375 11.25,52.375 11.25,51.05 14.775,51.05 14.775,52.65 15.05,52.65 15.05,54.075
DGND on L1 (Sig) "DGND_L1(Sig)" (solid, remove dead copper, pour order 21): 19.7,60.7 19.7,59.3 22.3,59.3 22.3,60.7
DP5VS on L1 (Sig) "DP5VS_L1(Sig)" (solid, remove dead copper, pour order 23): 20.75,6.75 20.75,4.5 23.75,4.5 23.75,6.75
DGND on L8 (Sig) "DGND_FULL_L8(Sig)" (solid, remove dead copper, pour order 33): 22.5,67.5 22,67 18,67 17.5,67.5 17.5,69 2.75,69 2.75,0.5 17.5,0.5 17.5,2 18,2.5 22,2.5 22.5,2 22.5,0.5 44.5,0.5 44.5,69 22.5,69
DP3.3VS on L8 (Sig) "DP3.3VS_L8(Sig)" (solid, remove dead copper, pour order 25): 10,11 6.75,11 6.75,9 10,9
EXT_P5VS on L8 (Sig) "EXT_P5VS_L8(Sig)" (solid, remove dead copper, pour order 2): 18.6,65.4 19.65,65.4 19.65,66.7 16.6,66.7 16.6,64.6 18.6,64.6
P5VS_IN on L8 (Sig) "P5VS_IN_L8(Sig)" (solid, remove dead copper, pour order 3): 19.85,66.7 19.85,64.625 21.9,64.625 21.9,66.7
DGND on L8 (Sig) "DGND_L8(Sig)" (solid, remove dead copper, pour order 12): 3.575,64.525 5.475,64.525 5.475,66.125 3.5,68.1 2.8,68.1 2.8,65.75 3.5,65.1 3.5,64.6
LDO2_VOUT on L8 (Sig) "LDO2_VOUT_L8(Sig)" (solid, remove dead copper, pour order 22): 12.3,9 15,9 15,10.5 10.5,10.5 10.5,9
DP3.3VS on L3 (PWR) "DP3.3VS_L3(PWR)" (solid, remove dead copper, pour order 26): 25.625,9 26,8.625 26,2.5 44.5,2.5 44.5,65.75 24.5,65.75 24.5,56.75 11.9,56.75 11.9,57.1 9.7,57.1 9.7,54.7 7.25,54.7 7.25,11 6.75,11 6.75,9
DP5VS on L3 (PWR) "DP5VS_L3(PWR)" (solid, remove dead copper, pour order 24): 9.75,2.5 9.75,4.5 4.5,4.5 4.5,62.75 23.75,62.75 23.75,59 24.25,59 24.25,57.25 22.25,57.25 22.25,59 22.5,59 22.5,61.25 6.25,61.25 6.25,6.25 11.75,6.25 11.75,4 20.75,4 20.75,6.75 23.75,6.75 23.75,2.5
DGND on L2 (GND) "DGND_FULL_L2(GND)" (solid, remove dead copper, pour order 27): 22.5,67.5 22,67 18,67 17.5,67.5 17.5,69 2.75,69 2.75,0.5 17.5,0.5 17.5,2 18,2.5 22,2.5 22.5,2 22.5,0.5 44.5,0.5 44.5,69 22.5,69
DGND on L4 (Sig) "DGND_FULL_L4(Sig)" (solid, remove dead copper, pour order 29): 22.5,67.5 22,67 18,67 17.5,67.5 17.5,69 2.75,69 2.75,0.5 17.5,0.5 17.5,2 18,2.5 22,2.5 22.5,2 22.5,0.5 44.5,0.5 44.5,69 22.5,69
DGND on L5 (GND) "DGND_FULL_L5(GND)" (solid, remove dead copper, pour order 30): 22.5,67.5 22,67 18,67 17.5,67.5 17.5,69 2.75,69 2.75,0.5 17.5,0.5 17.5,2 18,2.5 22,2.5 22.5,2 22.5,0.5 44.5,0.5 44.5,69 22.5,69
DGND on L6 (Sig) "DGND_FULL_L6(Sig)" (solid, remove dead copper, pour order 31): 22.5,67.5 22,67 18,67 17.5,67.5 17.5,69 2.75,69 2.75,0.5 17.5,0.5 17.5,2 18,2.5 22,2.5 22.5,2 22.5,0.5 44.5,0.5 44.5,69 22.5,69
DGND on L7 (GND) "DGND_FULL_L7(GND)" (solid, remove dead copper, pour order 32): 22.5,67.5 22,67 18,67 17.5,67.5 17.5,69 2.75,69 2.75,0.5 17.5,0.5 17.5,2 18,2.5 22,2.5 22.5,2 22.5,0.5 44.5,0.5 44.5,69 22.5,69

## Keep-outs
Keep-Out Layer:
  the board outline again, w0.1

## Silkscreen, mask and mechanical layers (free items; w line width, h text height)
Top Overlay:
  lines w0.254: 34.25,50.5 43.75,50.5 43.75,58.75 34.25,58.75 34.25,50.5
  text "USB" at 40.5,66.875 h1.52
  text "TX" at 40.5,64.375 h1.52
  text "RX" at 40.5,61.875 h1.52
  text "ST-LINK" at 38.14,49.045 h1.52
  text "PWR" at 31.85,42.725 h1.52
  text "LED1" at 40.372,30.525 h1.52
  text "LED2" at 40.372,28.225 h1.52
  text "RST" at 25.175,1.15 h1.52
  text "USER" at 36.175,1.15 h1.52
Bottom Overlay:
  drawing of 40 lines, arcs and shapes, not listed
  text "BOOT0" at 38.86,47.217 h1.52
  text "Designed by Ganghyeok Lim" at 3.783,46.5 h1.5 r270
  text "PDR_ON" at 38.735,42.465 h1.52
  text "STM32C011F6U6TR SOM B'd (Rev.A)" at 5.876,33.496 h2 r270
Top Mask:
  rectangle: 0,0 2.55,69.6
Bottom Mask:
  rectangle: 0,0 2.55,69.6
Mechanical 13:
  lines w0.1: -24.127,6.527 -4.627,6.527 ; -24.127,9.527 -4.627,9.527 ; -24.127,12.527 -4.627,12.527 ; -24.127,15.527 -4.627,15.527 ; -24,18.5 -4.5,18.5 ; -24,21.5 -4.5,21.5 ; -24,24.5 -4.5,24.5 ; -23.944,3.533 -4.444,3.533 ; -20.5,0.5 -20.5,24.5 ; 52.873,36.527 72.373,36.527 ; 52.873,39.527 72.373,39.527 ; 53,3.533 102.25,3.533 ; 53,6.527 102.25,6.527 ; 53,9.533 102.25,9.533 ; 53,12.527 102.25,12.527 ; 53,15.527 102.25,15.527 ; 53,18.527 102.25,18.527 ; 53,21.527 102.25,21.527 ; 53,24.5 102.25,24.5 ; 53,27.533 102.25,27.533 ; 53,30.527 102.25,30.527 ; 53,33.527 102.25,33.527 ; 53,36.527 102.25,36.527 ; 53,39.527 102.25,39.527 ; 53,42.5 72.5,42.5 ; 53,42.527 102.25,42.5 ; 53,45.527 102.25,45.527 ; 53,48.533 102.25,48.533 ; 53,51.527 102.25,51.527 ; 53,54.527 102.25,54.527 ; 53,57.527 102.25,57.527 ; 53,60.527 102.25,60.527 ; 53,63.5 102.25,63.5 ; 53,66.5 102.25,66.5 ; 53,69.5 76.5,69.5 ; 56.5,0.5 56.5,69.5 ; 76.5,0.5 76.5,69.5 ; 102.25,69.5 76.5,69.5
  lines w0.254: -24,0.5 -4.5,0.5 -4.5,27.5 -24,27.5 -24,0.5 ; 53,0.5 102.25,0.5 102.25,72.5 53,72.5 53,0.5
  text "# PCB Specification (JLCPCB)" at 54,70.376 h2
  text "Category" at 63.611,67.643 h1.52
  text "No" at 54,67.516 h1.52
  text "Selection" at 86.351,67.509 h1.52
  text "1" at 54.593,64.5 h1.52
  text "Base Material" at 57.611,64.51 h1.52
  text "FR-4" at 77.75,64.5 h1.52
  text "Layer #" at 57.611,61.637 h1.52
  text "8 - Layer" at 77.75,61.643 h1.52
  text "2" at 54.479,61.5 h1.52
  text "45.00(mm) * 69.60(mm)" at 77.75,58.646 h1.52
  text "3" at 54.483,58.518 h1.52
  text "Dimension" at 57.611,58.518 h1.52
  text "Thickness" at 57.611,55.51 h1.52
  text "4" at 54.457,55.5 h1.52
  text "1.2T" at 77.75,55.5 h1.52
  text "5" at 54.479,52.518 h1.52
  text "Color" at 57.611,52.503 h1.52
  text "Black" at 77.75,52.502 h1.52
  text "Material Type" at 57.611,49.654 h1.52
  text "6" at 54.481,49.518 h1.52
  text "FR-4 TG155" at 77.75,49.512 h1.52
  text "7" at 54.487,46.5 h1.52
  text "Surface Finish" at 57.611,46.495 h1.52
  text "ENIG" at 77.75,46.495 h1.52
  text "8" at 54.486,43.518 h1.52
  text "2 U''" at 77.75,43.518 h1.52
  text "Gold Thickness" at 57.611,43.512 h1.52
  text "Outer Copper Weight" at 57.611,40.646 h1.52
  text "9" at 54.481,40.518 h1.52
  text "1 oz" at 77.75,40.517 h1.52
  text "Inner Copper Weight" at 57.611,37.646 h1.52
  text "10" at 54.137,37.518 h1.52
  text "0.5 oz" at 77.75,37.518 h1.52
  text "Impedance Control" at 57.611,34.628 h1.52
  text "11" at 54.214,34.5 h1.52
  text "No" at 77.75,34.51 h1.52
  text "Layer Stack-up" at 57.611,31.637 h1.52
  text "JLC08121H-3313 (Default Stack-up)" at 77.75,31.637 h1.52
  text "12" at 54.138,31.5 h1.52
  text "Via Covering" at 57.611,28.646 h1.52
  text "Epoxy Filled & Capped" at 77.75,28.646 h1.52
  text "13" at 54.132,28.518 h1.52
  text "14" at 54.119,25.5 h1.52
  text "Min. Via Hole Size / Diameter" at 57.611,25.503 h1.52
  text "Hole : 0.2mm   /   Diameter : 0.35mm" at 77.75,25.503 h1.52
  text "# Layer Information" at -23,25.376 h2
  text "Top (Signal / GND)" at -19.5,22.637 h1.52
  text "±0.2mm (Regular)" at 77.75,22.646 h1.52
  text "15" at 54.124,22.518 h1.52
  text "Board Outline Tolerance" at 57.611,22.512 h1.52
  text "L1" at -22.9,22.5 h1.52
  text "16" at 54.127,19.518 h1.52
  text "Confirm Production File" at 57.611,19.511 h1.52
  text "No" at 77.75,19.518 h1.52
  text "L2" at -22.9,19.5 h1.52
  text "GND" at -19.5,19.503 h1.52
  text "Power (5V / 3.3V)" at -19.5,16.646 h1.52
  text "L3" at -22.9,16.518 h1.52
  text "17" at 54.133,16.5 h1.52
  text "Remove Order Number" at 57.611,16.503 h1.52
  text "Yes" at 77.749,16.51 h1.52
  text "Flying Probe Test" at 57.611,13.654 h1.52
  text "Fully Test" at 77.75,13.654 h1.52
  text "Signal / GND" at -19.5,13.637 h1.52
  text "18" at 54.134,13.518 h1.52
  text "L4" at -22.9,13.5 h1.52
  text "Gold Fingers" at 57.611,10.646 h1.52
  text "L5" at -22.9,10.518 h1.52
  text "19" at 54.135,10.518 h1.52
  text "Yes" at 77.749,10.518 h1.52
  text "GND" at -19.5,10.506 h1.52
  text "Signal / GND" at -19.5,7.646 h1.52
  text "30° Finger Chamfered" at 57.611,7.646 h1.52
  text "L6" at -22.9,7.518 h1.52
  text "20" at 54.1,7.518 h1.52
  text "No" at 77.75,7.518 h1.52
  text "L7" at -22.9,4.5 h1.52
  text "21" at 54.177,4.5 h1.52
  text "Castellated Holes" at 57.611,4.502 h1.52
  text "No" at 77.75,4.51 h1.52
  text "GND" at -19.5,4.497 h1.52
  text "Bottom (Signal / GND)" at -19.5,1.646 h1.52
  text "Edge Plating" at 57.611,1.645 h1.52
  text "L8" at -22.9,1.518 h1.52
  text "No" at 77.75,1.51 h1.52
  text "22" at 54.101,1.5 h1.52

## Dimensions
45,0 to 45,69.6 on Mechanical 13
0,0 to 45,0 on Mechanical 13

## Text inside footprints (layer, text, board x,y; h text height)
U400: Mechanical 13 "10" at 21.411,35.943 h0.4 r90; Mechanical 13 "9" at 21.411,35.233 h0.4 r90; Mechanical 13 "3" at 21.411,30.433 h0.4 r90; Mechanical 13 "2" at 21.413,29.632 h0.4 r90; Mechanical 13 "1" at 21.413,28.862 h0.4 r90; Mechanical 13 "4" at 21.413,31.226 h0.4 r90; Mechanical 13 "5" at 21.409,32.032 h0.4 r90; Mechanical 13 "6" at 21.411,32.833 h0.4 r90; Mechanical 13 "8" at 21.411,34.434 h0.4 r90; Mechanical 13 "7" at 21.411,33.634 h0.4 r90; Mechanical 13 "17" at 21.413,41.542 h0.4 r90; Mechanical 13 "16" at 21.411,40.74 h0.4 r90; Mechanical 13 "15" at 21.411,39.939 h0.4 r90; Mechanical 13 "14" at 21.413,39.138 h0.4 r90; Mechanical 13 "13" at 21.411,38.341 h0.4 r90; Mechanical 13 "12" at 21.413,37.543 h0.4 r90; Mechanical 13 "11" at 21.413,36.763 h0.4 r90; Mechanical 13 "A" at 22.496,27.718 h0.4 r90; Mechanical 13 "B" at 23.296,27.74 h0.4 r90; Mechanical 13 "D" at 24.896,27.74 h0.4 r90; Mechanical 13 "C" at 24.096,27.735 h0.4 r90; Mechanical 13 "E" at 25.696,27.749 h0.4 r90; Mechanical 13 "F" at 26.496,27.759 h0.4 r90; Mechanical 13 "G" at 27.296,27.727 h0.4 r90; Mechanical 13 "H" at 28.096,27.744 h0.4 r90; Mechanical 13 "J" at 28.894,27.765 h0.4 r90; Mechanical 13 "K" at 29.696,27.731 h0.4 r90; Mechanical 13 "L" at 30.495,27.757 h0.4 r90; Mechanical 13 "M" at 31.296,27.723 h0.4 r90; Mechanical 13 "N" at 32.096,27.745 h0.4 r90; Mechanical 13 "P" at 32.896,27.749 h0.4 r90; Mechanical 13 "R" at 33.696,27.732 h0.4 r90; Mechanical 13 "T" at 34.496,27.745 h0.4 r90; Mechanical 13 "U" at 35.294,27.745 h0.4 r90